# Altium PCB graviton.PcbDoc (part 5 of 15) (continued)
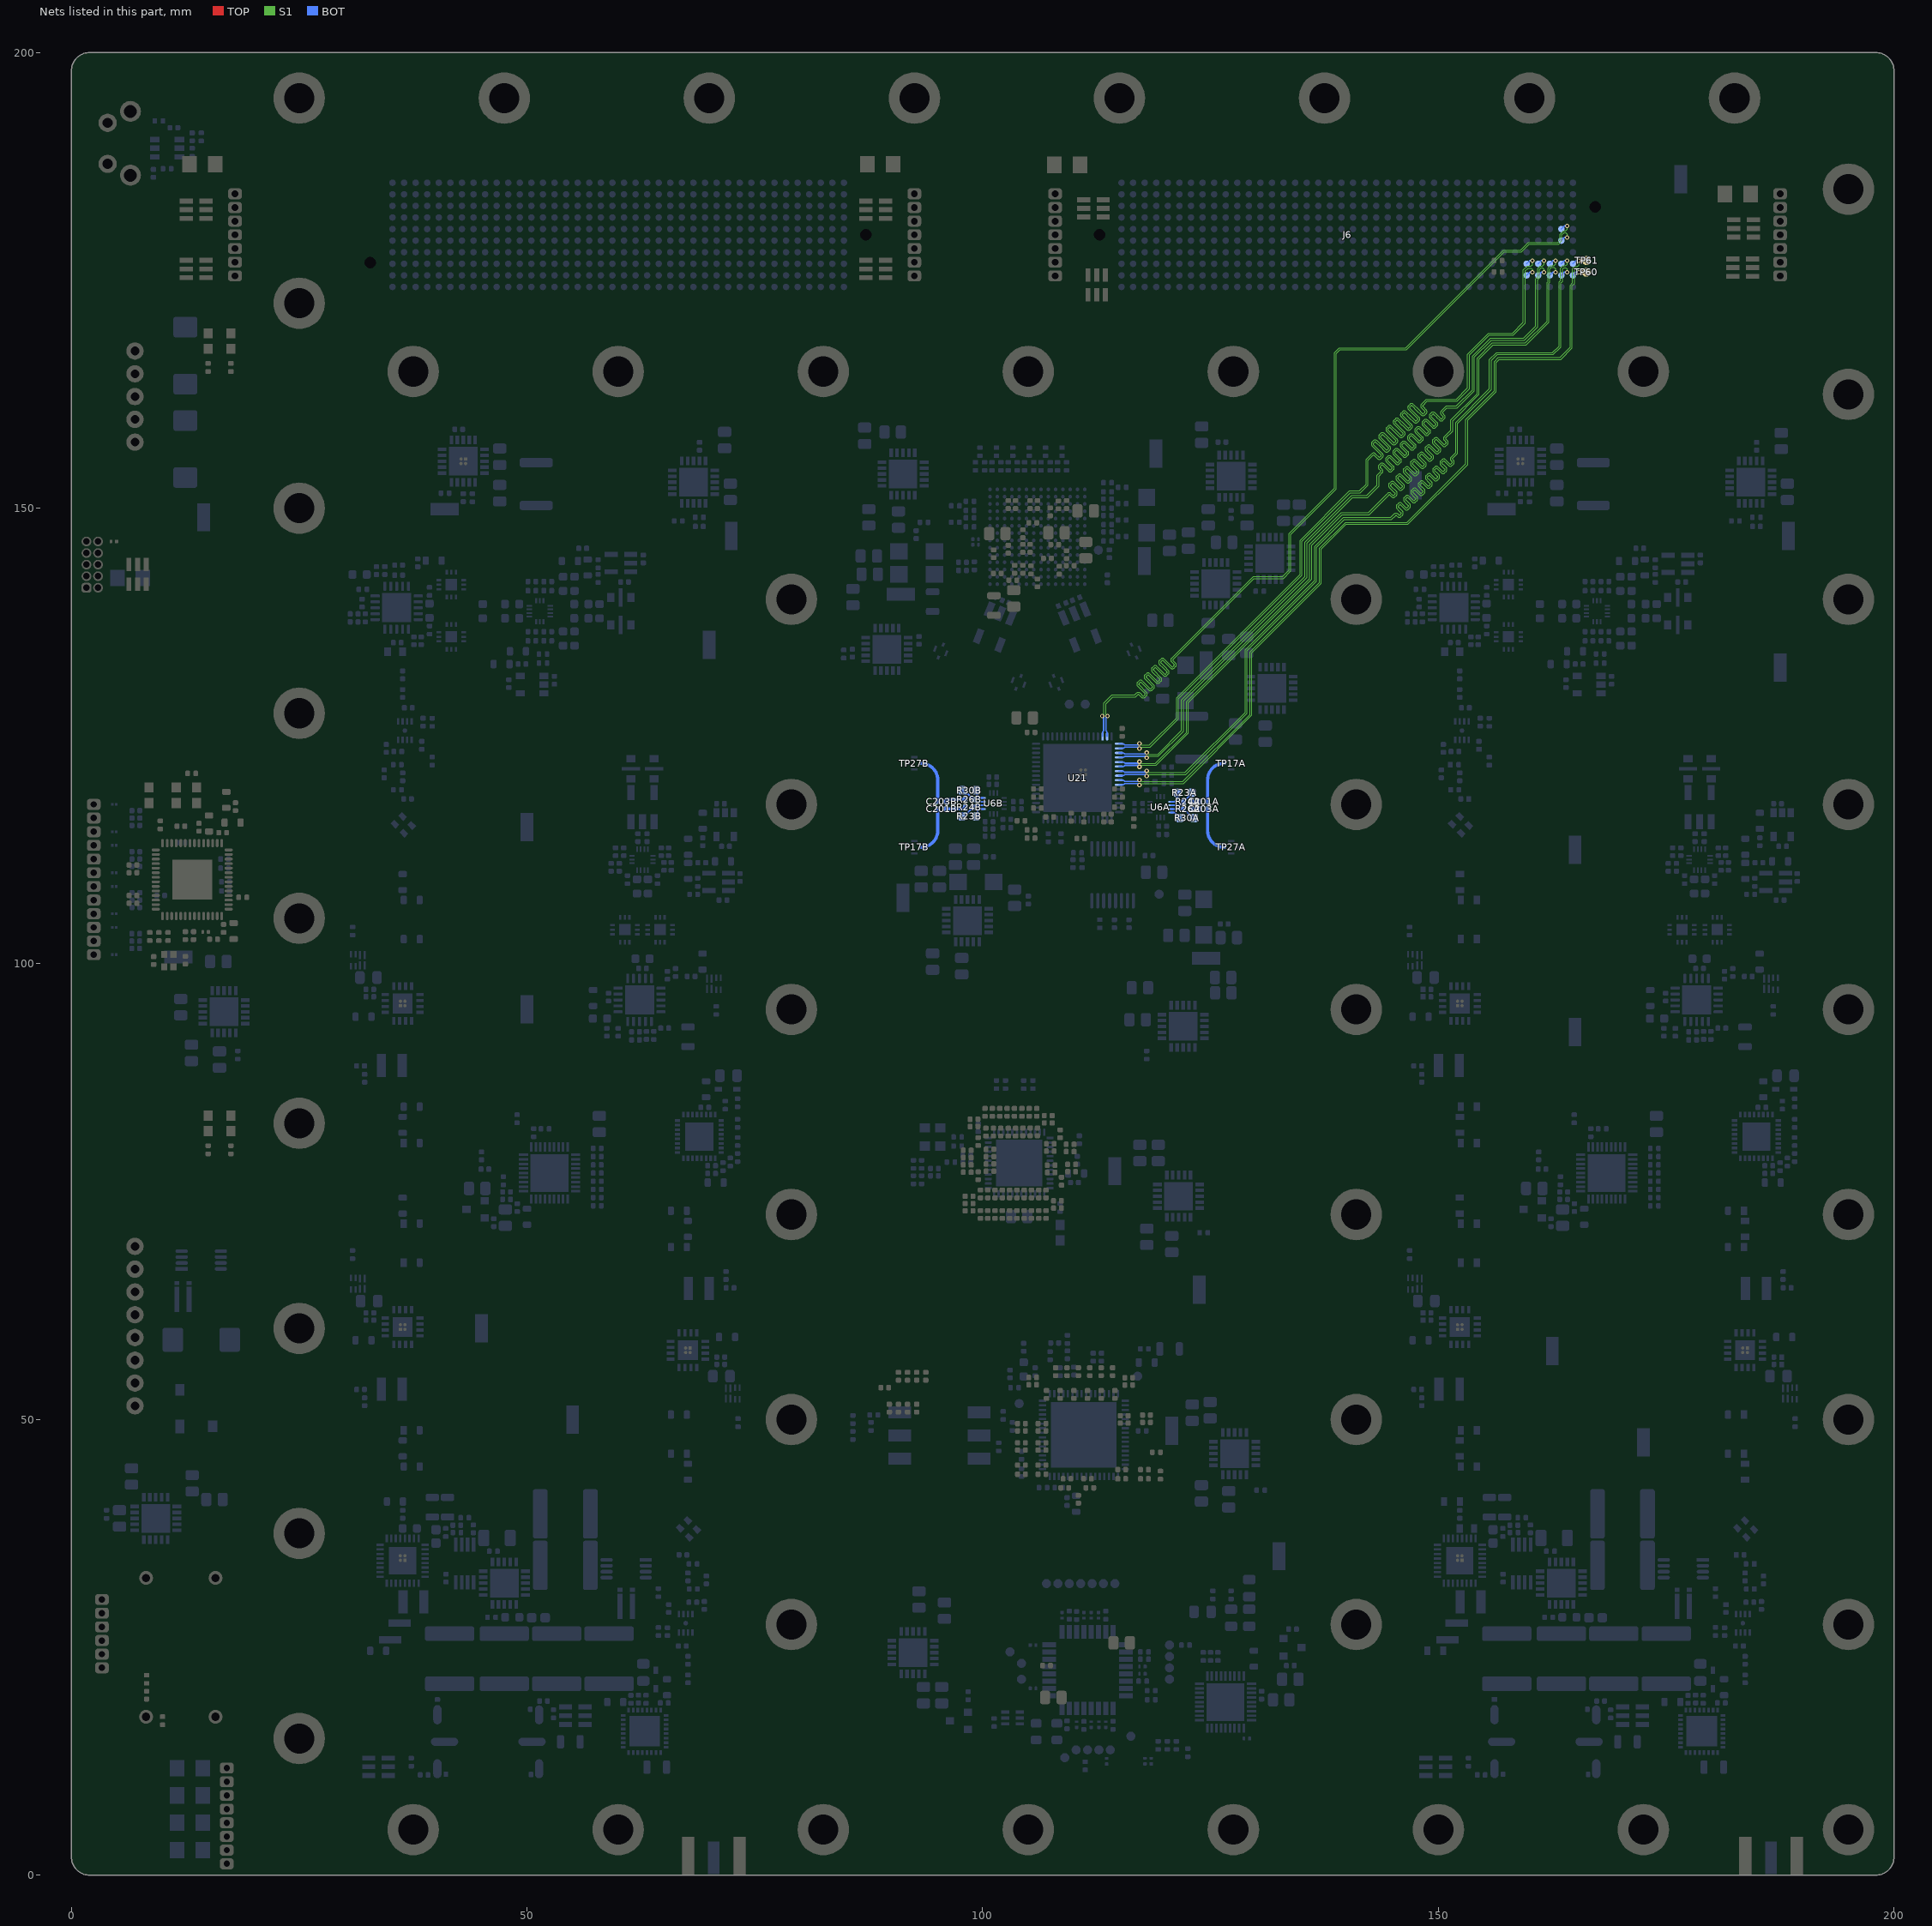
[diagram p13: the nets of this part, all layers, seen from the top]
## Nets (pads, with @x,y where several pads share a name; then routed paths per layer and width w, separated by ;. In a path a pad name is that pad's centre, name@x,y a point inside that pad or via, vN(x,y) a via of type N, cw(c..) or ccw(c..) an arc to the next point about the centre after c; other vN are vias at no path point)
A3A_N: R23A.1 R24A.2 U6A.5 | length 2.9
  BOT w0.2: U6A.5@120.65,117.4 121.655,117.4 R24A.2@122.055,117.8 122.93,118.675 R23A.1@122.93,118.725
A3A_P: R26A.2 R30A.1 U6A.6 | length 2.9
  BOT w0.2: U6A.6@120.65,117 R26A.2@122.055,117 123.005,116.05 R30A.1@123.18,116.05
A3B_N: R23B.1 R24B.2 U6B.5 | length 2.6
  BOT w0.2: R23B.1@97.825,116.575 98.345,116.575 R24B.2@98.97,117.2 99.17,117.4 U6B.5@100.05,117.4
A3B_P: R26B.2 R30B.1 U6B.6 | length 2.8
  BOT w0.2: R30B.1@97.72,119 98.095,118.625 98.395,118.625 R26B.2@98.97,118.05 99.22,117.8 U6B.6@100.05,117.8
A4A_N: R23A.2 U6A.4 | length 1.5
  BOT w0.2: U6A.4@120.65,117.8 121.05,117.8 121.37,118.12 R23A.2@121.37,118.725
A4A_P: R30A.2 U6A.7 | length 1.2
  BOT w0.2: U6A.7@120.65,116.6 121.07,116.6 R30A.2@121.62,116.05
A4B_N: R23B.2 U6B.4 | length 1.4
  BOT w0.2: R23B.2@99.28,116.2 99.425,116.345 99.425,116.85 99.575,117 U6B.4@100.05,117
A4B_P: R30B.2 U6B.7 | length 1.4
  BOT w0.2: R30B.2@99.28,119 99.368,118.912 99.368,118.407 99.575,118.2 U6B.7@100.05,118.2
A6A_N: C201A.2 R24A.1 | length 0.9
  BOT w0.356: R24A.1@122.945,117.8 C201A.2@123.82,117.8
A6A_P: C203A.2 R26A.1 | length 0.9
  BOT w0.356: R26A.1@122.945,117 C203A.2@123.82,117
A6B_N: C201B.2 R24B.1 | length 2.2
  BOT w0.356: C201B.2@95.93,117 97.88,117 R24B.1@98.08,117.2
A6B_P: C203B.2 R26B.1 | length 2.3
  BOT w0.356: C203B.2@95.93,117.8 96.18,118.05 R26B.1@98.08,118.05
A8A_N: C201A.1 TP17A.A | length 5.2
  BOT w0.356: C201A.1@124.68,117.8 124.68,120.18 cw(c126.5,120.18) TP17A.A@126.5,122
A8A_P: C203A.1 TP27A.A | length 5.2
  BOT w0.356: C203A.1@124.68,117 124.68,114.62 ccw(c126.5,114.62) TP27A.A@126.5,112.8
A8B_N: C201B.1 TP17B.A | length 5.2
  BOT w0.356: TP17B.A@93.25,112.8 ccw(c93.25,114.62) 95.07,114.62 C201B.1@95.07,117
A8B_P: C203B.1 TP27B.A | length 5.2
  BOT w0.356: TP27B.A@93.25,122 cw(c93.25,120.18) 95.07,120.18 C203B.1@95.07,117.8
ADC0-LVDS.ADC-D0_2_N: J6.8 TP61.1 U21.9 | length 92.1
  TOP w0.356: v3(165.4,177.168) 166.243,177.168 TP61.1@166.25,177.175
  S1 w0.098: v3(117.2,120.186) 117.379,120.006 121.958,120.006 129.331,127.38 129.331,134.227 136.956,141.852 136.956,145.598 139.809,148.45 146.575,148.45 153,154.875 153,159.749 156.131,162.88 156.131,166.081 156.594,166.544 163.344,166.544 164.475,167.675 164.475,174.475 164.725,174.725 164.725,176.301 164.962,176.538 165.25,176.538 165.4,176.688 v3(165.4,177.168)
  BOT w0.159: U21.9@114.95,120.15 115.301,120.15 cw(c115.301,119.719) 115.606,120.024 117.1,120.024 v3@117.156,120.08 ; v3@117.156,120.08 ccw(c117.05,120.186) v3(117.2,120.186) ; J6.8@164.765,176.825 165.108,177.168 v3(165.4,177.168)
ADC0-LVDS.ADC-D0_2_P: J6.9 TP60.1 U21.10 | length 91.9
  TOP w0.356: v3(165.4,175.898) 166.223,175.898 TP60.1@166.225,175.9
  S1 w0.098: v3(117.2,119.614) 117.379,119.794 122.046,119.794 129.544,127.292 129.544,134.139 137.168,141.764 137.168,145.51 139.897,148.238 146.664,148.238 153.213,154.787 153.213,159.661 156.344,162.792 156.344,165.993 156.682,166.331 163.432,166.331 164.688,167.587 164.688,174.387 164.938,174.637 164.938,176.213 165.05,176.325 165.25,176.325 165.4,176.175 v3(165.4,175.898)
  BOT w0.159: U21.10@114.95,119.65 115.301,119.65 ccw(c115.301,120.081) 115.606,119.776 117.1,119.776 v3@117.156,119.72 ; v3@117.156,119.72 cw(c117.05,119.614) v3(117.2,119.614) ; J6.9@164.765,175.555 165.108,175.898 v3(165.4,175.898)
ADC0-LVDS.ADC-D1_2_N: J6.18 U21.7 | length 101.5
  S1 w0.098: v3(118,121.186) 118.179,121.006 122.206,121.006 128.8,127.6 128.8,134.447 136.425,142.072 136.425,145.818 139.589,148.982 144.782,148.982 145.161,149.361 cw(c145.356,149.166) 145.551,149.361 145.671,149.242 ccw(c145.715,149.286) 145.76,149.241 145.92,149.401 ccw(c145.875,149.446) 145.938,149.446 ccw(c145.875,149.446) 145.92,149.491 145.68,149.73 145.441,149.969 cw(c145.636,150.164) 145.441,150.36 ; 145.441,150.36 145.601,150.519 cw(c145.796,150.324) 145.991,150.519 146.23,150.28 ; 146.231,150.28 146.47,150.041 ccw(c146.515,150.085) 146.559,150.041 146.719,150.201 ccw(c146.674,150.245) 146.738,150.245 ccw(c146.674,150.245) 146.719,150.29 ; 146.719,150.29 146.48,150.529 146.24,150.769 cw(c146.436,150.964) 146.24,151.159 146.4,151.319 cw(c146.595,151.124) 146.79,151.319 147.03,151.079 147.269,150.84 ccw(c147.314,150.885) 147.358,150.84 ; 147.359,150.84 147.518,151 ccw(c147.474,151.045) 147.537,151.045 ccw(c147.474,151.045) 147.518,151.089 147.279,151.328 147.04,151.568 cw(c147.235,151.763) 147.04,151.958 147.199,152.118 cw(c147.395,151.923) 147.59,152.118 147.829,151.879 148.069,151.639 ccw(c148.113,151.684) 148.158,151.639 148.318,151.799 ccw(c148.273,151.844) 148.336,151.844 ccw(c148.273,151.844) 148.318,151.888 148.078,152.128 147.839,152.367 cw(c148.034,152.562) 147.839,152.757 147.999,152.917 cw(c148.194,152.722) 148.389,152.917 148.628,152.678 148.868,152.438 ccw(c148.912,152.483) 148.957,152.438 ; 148.957,152.439 149.117,152.598 ccw(c149.072,152.643) 149.135,152.643 ccw(c149.072,152.643) 149.117,152.688 148.877,152.927 148.638,153.166 cw(c148.833,153.361) 148.638,153.557 148.798,153.716 cw(c148.993,153.521) 149.188,153.716 149.427,153.477 149.667,153.238 ccw(c149.711,153.282) 149.756,153.238 149.916,153.398 ccw(c149.871,153.442) 149.935,153.442 ccw(c149.871,153.442) 149.916,153.487 149.677,153.726 149.437,153.966 cw(c149.632,154.161) 149.437,154.356 149.597,154.516 cw(c149.792,154.321) 149.987,154.516 150.227,154.276 150.466,154.037 ccw(c150.511,154.082) 150.555,154.037 150.715,154.197 ccw(c150.671,154.242) 150.734,154.242 ccw(c150.671,154.242) 150.715,154.286 150.476,154.525 ; 150.476,154.526 150.237,154.765 cw(c150.432,154.96) 150.237,155.155 150.396,155.315 cw(c150.592,155.12) 150.787,155.315 151.026,155.076 ; 151.026,155.076 151.265,154.836 ccw(c151.31,154.881) 151.355,154.836 151.515,154.996 ccw(c151.47,155.041) 151.533,155.041 ccw(c151.47,155.041) 151.515,155.085 ; 151.515,155.085 151.395,155.205 cw(c151.59,155.4) 151.395,155.595 151.9,156.1 151.9,159.4 155.6,163.1 155.6,166.301 156.374,167.075 162.525,167.075 163.235,167.785 163.235,174.81 163.4,174.976 163.4,176.326 163.687,176.613 163.975,176.613 164.13,176.768 v3(164.13,177.168)
  BOT w0.159: U21.7@114.95,121.15 115.301,121.15 cw(c115.301,120.719) 115.606,121.024 117.9,121.024 v3@117.956,121.08 ; v3@117.956,121.08 ccw(c117.851,121.186) v3(118,121.186) ; J6.18@163.495,176.825 163.838,177.168 v3(164.13,177.168)
ADC0-LVDS.ADC-D1_2_P: J6.19 U21.8 | length 101.4
  S1 w0.098: v3(118,120.614) 118.179,120.794 122.294,120.794 129.013,127.512 129.013,134.359 136.637,141.984 136.637,145.73 139.677,148.769 144.87,148.769 145.311,149.211 cw(c145.356,149.166) 145.401,149.211 145.52,149.091 ccw(c145.715,149.286) 145.91,149.091 146.07,149.251 ccw(c145.875,149.446) 146.151,149.446 ccw(c145.875,149.446) 146.07,149.641 145.831,149.88 145.592,150.12 ; 145.591,150.12 cw(c145.636,150.164) 145.591,150.209 ; 145.592,150.209 145.751,150.369 cw(c145.796,150.324) 145.841,150.369 146.08,150.13 146.319,149.89 ccw(c146.515,150.085) 146.71,149.89 146.869,150.05 ccw(c146.674,150.245) 146.95,150.245 ccw(c146.674,150.245) 146.869,150.44 146.63,150.68 ; 146.63,150.68 146.391,150.919 cw(c146.436,150.964) 146.391,151.008 146.551,151.168 cw(c146.595,151.124) 146.64,151.168 146.879,150.929 ; 146.88,150.929 147.119,150.69 ccw(c147.314,150.885) 147.509,150.69 147.669,150.849 ccw(c147.474,151.045) 147.75,151.045 ccw(c147.474,151.045) 147.669,151.24 147.429,151.479 ; 147.19,151.718 147.429,151.479 ; 147.19,151.719 cw(c147.235,151.763) 147.19,151.808 147.35,151.968 cw(c147.395,151.923) 147.439,151.968 ; 147.439,151.967 147.678,151.728 147.918,151.489 ccw(c148.113,151.684) 148.308,151.489 148.468,151.649 ccw(c148.273,151.844) 148.549,151.844 ccw(c148.273,151.844) 148.468,152.039 148.229,152.278 147.989,152.518 cw(c148.034,152.562) 147.989,152.607 148.149,152.767 cw(c148.194,152.722) 148.239,152.767 148.478,152.528 ; 148.478,152.527 148.717,152.288 ccw(c148.912,152.483) 149.107,152.288 149.267,152.448 ccw(c149.072,152.643) 149.348,152.643 ccw(c149.072,152.643) 149.267,152.838 149.028,153.077 ; 149.028,153.078 148.789,153.317 cw(c148.833,153.361) 148.789,153.406 148.948,153.566 cw(c148.993,153.521) 149.038,153.566 149.277,153.327 ; 149.277,153.326 149.516,153.087 ccw(c149.711,153.282) 149.907,153.087 150.066,153.247 ccw(c149.871,153.442) 150.147,153.442 ccw(c149.871,153.442) 150.066,153.637 149.827,153.877 ; 149.827,153.877 149.588,154.116 cw(c149.632,154.161) 149.588,154.205 149.748,154.365 cw(c149.792,154.321) 149.837,154.365 150.076,154.126 150.316,153.887 ccw(c150.511,154.082) 150.706,153.887 ; 150.387,154.916 cw(c150.432,154.96) 150.387,155.005 150.547,155.164 cw(c150.592,155.12) 150.636,155.165 ; 150.387,154.915 150.626,154.676 150.866,154.437 cw(c150.671,154.242) 150.946,154.242 cw(c150.671,154.242) 150.866,154.046 150.706,153.887 ; 150.636,155.164 150.876,154.925 151.115,154.686 ccw(c151.31,154.881) 151.505,154.686 151.665,154.845 ccw(c151.47,155.041) 151.746,155.041 ccw(c151.47,155.041) 151.665,155.236 151.545,155.355 cw(c151.59,155.4) 151.545,155.445 152.113,156.012 152.113,159.312 155.813,163.012 155.813,166.213 156.462,166.862 162.613,166.862 163.447,167.696 163.447,174.722 163.613,174.888 163.613,176.238 163.775,176.4 163.975,176.4 164.13,176.245 v3(164.13,175.898)
  BOT w0.159: U21.8@114.95,120.65 115.301,120.65 ccw(c115.301,121.081) 115.606,120.776 117.9,120.776 v3@117.956,120.72 ; v3@117.956,120.72 cw(c117.851,120.614) v3(118,120.614) ; J6.19@163.495,175.555 163.838,175.898 v3(164.13,175.898)
ADC0-LVDS.ADC-D2_2_N: J6.28 U21.5 | length 99.1
  S1 w0.098: v3(117.2,122.186) 117.379,122.006 118.951,122.006 122.35,125.405 122.35,128.748 135.893,142.292 135.893,146.038 139.369,149.513 142.313,149.513 144.411,151.611 cw(c144.606,151.416) 144.801,151.611 145.01,151.402 ccw(c145.055,151.446) 145.1,151.402 145.26,151.562 ccw(c145.215,151.606) 145.278,151.606 ccw(c145.215,151.606) 145.26,151.651 144.601,152.309 cw(c144.796,152.504) 144.601,152.699 144.761,152.859 ; 144.761,152.859 cw(c144.956,152.664) 145.151,152.859 145.481,152.53 145.81,152.201 ccw(c145.854,152.246) 145.899,152.201 ; 145.899,152.201 146.059,152.361 ccw(c146.014,152.406) 146.077,152.406 ccw(c146.014,152.406) 146.059,152.45 145.401,153.108 cw(c145.596,153.304) 145.401,153.499 145.56,153.658 cw(c145.756,153.463) 145.951,153.658 146.609,153 ccw(c146.654,153.045) 146.698,153 146.858,153.16 ccw(c146.813,153.205) 146.877,153.205 ccw(c146.813,153.205) 146.858,153.249 146.529,153.578 ; 146.529,153.579 146.2,153.908 cw(c146.395,154.103) 146.2,154.298 146.36,154.458 cw(c146.555,154.263) 146.75,154.458 147.079,154.129 147.408,153.799 ccw(c147.453,153.844) 147.497,153.799 147.657,153.959 ccw(c147.613,154.004) 147.676,154.004 ccw(c147.613,154.004) 147.657,154.049 146.999,154.707 ; 146.999,154.707 cw(c147.194,154.902) 146.999,155.097 147.159,155.257 cw(c147.354,155.062) 147.549,155.257 148.207,154.599 ccw(c148.252,154.643) 148.297,154.599 148.457,154.759 ccw(c148.412,154.803) 148.475,154.803 ccw(c148.412,154.803) 148.457,154.848 148.127,155.177 147.798,155.506 cw(c147.993,155.701) 147.798,155.896 147.958,156.056 cw(c148.153,155.861) 148.348,156.056 148.678,155.727 149.007,155.398 ccw(c149.051,155.443) 149.096,155.398 ; 149.096,155.398 149.256,155.558 ccw(c149.211,155.602) 149.274,155.602 ccw(c149.211,155.602) 149.256,155.647 148.598,156.305 cw(c148.793,156.501) 148.598,156.696 148.757,156.855 cw(c148.953,156.66) 149.148,156.855 149.806,156.197 ccw(c149.851,156.242) 149.895,156.197 150.055,156.357 ccw(c150.01,156.402) 150.074,156.402 ccw(c150.01,156.402) 150.055,156.446 149.726,156.775 149.397,157.105 cw(c149.592,157.3) 149.397,157.495 149.557,157.655 cw(c149.752,157.46) 149.947,157.655 150.276,157.326 150.605,156.996 ccw(c150.65,157.041) 150.694,156.996 ; 150.695,156.997 150.854,157.156 ccw(c150.81,157.201) 150.873,157.201 ccw(c150.81,157.201) 150.854,157.246 150.645,157.455 cw(c150.84,157.65) 150.645,157.845 151.369,158.569 151.369,159.682 154.262,162.575 154.262,166.461 155.936,168.134 159.559,168.134 161.925,170.5 161.925,174.763 162.012,174.85 162.012,176.35 162.175,176.513 162.3,176.638 162.7,176.638 162.86,176.798 v3(162.86,177.168)
  BOT w0.159: U21.5@114.95,122.15 115.301,122.15 cw(c115.301,121.719) 115.606,122.024 117.1,122.024 v3@117.156,122.08 ; v3@117.156,122.08 ccw(c117.05,122.186) v3(117.2,122.186) ; J6.28@162.225,176.825 162.568,177.168 v3(162.86,177.168)
ADC0-LVDS.ADC-D2_2_P: J6.29 U21.6 | length 99.1
  S1 w0.098: v3(117.2,121.614) 117.379,121.794 119.039,121.794 122.562,125.317 122.562,128.66 136.106,142.204 136.106,145.95 139.457,149.3 142.401,149.3 144.561,151.461 cw(c144.606,151.416) 144.651,151.461 144.86,151.251 ccw(c145.055,151.446) 145.25,151.251 145.41,151.411 ; 145.33,152.38 145.001,152.709 ccw(c144.956,152.664) 144.912,152.709 144.752,152.549 ccw(c144.796,152.504) 144.752,152.46 145.41,151.801 cw(c145.215,151.606) 145.491,151.606 cw(c145.215,151.606) 145.41,151.411 ; 145.33,152.38 145.659,152.051 ccw(c145.854,152.246) 146.049,152.051 146.209,152.21 ccw(c146.014,152.406) 146.29,152.406 ccw(c146.014,152.406) 146.209,152.601 145.88,152.93 145.551,153.259 ; 145.551,153.259 cw(c145.596,153.304) 145.551,153.348 ; 145.551,153.348 145.711,153.508 cw(c145.756,153.463) 145.8,153.508 146.458,152.85 ccw(c146.654,153.045) 146.849,152.85 147.008,153.009 ccw(c146.813,153.205) 147.089,153.205 ccw(c146.813,153.205) 147.009,153.4 146.35,154.058 cw(c146.395,154.103) 146.35,154.147 146.51,154.308 cw(c146.555,154.263) 146.599,154.307 146.928,153.978 147.258,153.649 ccw(c147.453,153.844) 147.648,153.649 147.808,153.809 ccw(c147.613,154.004) 147.889,154.004 ccw(c147.613,154.004) 147.808,154.199 147.149,154.858 cw(c147.194,154.902) 147.149,154.946 147.309,155.107 cw(c147.354,155.062) 147.399,155.107 148.057,154.448 ccw(c148.252,154.643) 148.447,154.448 148.607,154.608 ccw(c148.412,154.803) 148.688,154.803 ccw(c148.412,154.803) 148.607,154.998 148.278,155.327 147.949,155.657 cw(c147.993,155.701) 147.949,155.746 148.108,155.906 ; 148.109,155.906 cw(c148.153,155.861) 148.198,155.906 148.527,155.577 148.856,155.248 ccw(c149.051,155.443) 149.246,155.248 149.406,155.407 ccw(c149.211,155.602) 149.487,155.602 ccw(c149.211,155.602) 149.406,155.798 149.077,156.127 ; 149.077,156.127 148.748,156.456 cw(c148.793,156.501) 148.748,156.545 148.908,156.705 cw(c148.953,156.66) 148.997,156.705 149.655,156.047 ccw(c149.851,156.242) 150.046,156.047 150.205,156.206 ccw(c150.01,156.402) 150.286,156.402 ccw(c150.01,156.402) 150.205,156.597 149.876,156.926 149.547,157.255 cw(c149.592,157.3) 149.547,157.344 149.707,157.504 cw(c149.752,157.46) 149.796,157.504 150.126,157.175 150.455,156.846 ccw(c150.65,157.041) 150.845,156.846 151.005,157.006 ccw(c150.81,157.201) 151.086,157.201 ccw(c150.81,157.201) 151.005,157.396 150.795,157.606 cw(c150.84,157.65) 150.795,157.695 151.582,158.481 151.582,159.593 154.475,162.487 154.475,166.373 156.024,167.921 159.647,167.921 162.138,170.412 162.138,174.675 162.225,174.762 162.225,176.262 162.388,176.425 162.7,176.425 162.86,176.265 v3(162.86,175.898)
  BOT w0.159: U21.6@114.95,121.65 115.301,121.65 ccw(c115.301,122.081) 115.606,121.776 117.1,121.776 v3@117.156,121.72 ; v3@117.156,121.72 cw(c117.05,121.614) v3(117.2,121.614) ; J6.29@162.225,175.555 162.568,175.898 v3(162.86,175.898)
ADC0-LVDS.ADC-D3_2_N: J6.38 U21.3 | length 98.7
  S1 w0.098: v3(118,123.186) 118.179,123.006 119.2,123.006 121.818,125.625 121.818,128.968 135.362,142.512 135.362,146.258 140.486,151.382 142.133,151.382 143.263,152.512 143.263,153.613 143.674,154.024 ccw(c143.629,154.069) 143.692,154.069 ccw(c143.629,154.069) 143.674,154.113 143.465,154.322 cw(c143.66,154.518) 143.465,154.713 143.624,154.872 cw(c143.82,154.677) 144.015,154.872 144.344,154.544 144.673,154.214 ccw(c144.718,154.259) 144.762,154.214 144.922,154.374 ccw(c144.877,154.419) 144.941,154.419 ccw(c144.877,154.419) 144.922,154.463 ; 144.922,154.463 144.264,155.122 cw(c144.459,155.317) 144.264,155.512 144.424,155.672 cw(c144.619,155.477) 144.814,155.672 145.143,155.343 145.472,155.013 ccw(c145.517,155.058) 145.561,155.013 145.721,155.173 ccw(c145.677,155.218) 145.74,155.218 ccw(c145.677,155.218) 145.721,155.263 145.063,155.921 ; 145.063,155.921 cw(c145.258,156.116) 145.063,156.311 ; 145.063,156.311 145.223,156.471 cw(c145.418,156.276) 145.613,156.471 145.942,156.142 ; 145.942,156.142 146.271,155.813 ccw(c146.316,155.857) 146.361,155.813 146.521,155.973 ccw(c146.476,156.017) 146.539,156.017 ccw(c146.476,156.017) 146.521,156.062 145.862,156.72 cw(c146.057,156.915) 145.862,157.11 146.022,157.27 ; 146.022,157.27 cw(c146.217,157.075) 146.412,157.27 146.742,156.941 147.071,156.612 ccw(c147.115,156.657) 147.16,156.612 ; 147.16,156.612 147.32,156.772 ccw(c147.275,156.816) 147.338,156.816 ccw(c147.275,156.816) 147.32,156.861 146.662,157.519 cw(c146.857,157.715) 146.662,157.91 146.821,158.069 cw(c147.017,157.874) 147.212,158.069 147.87,157.411 ccw(c147.915,157.456) 147.959,157.411 148.119,157.571 ccw(c148.074,157.616) 148.138,157.616 ccw(c148.074,157.616) 148.119,157.66 147.79,157.99 147.461,158.319 cw(c147.656,158.514) 147.461,158.709 147.621,158.869 cw(c147.816,158.674) 148.011,158.869 148.34,158.54 148.669,158.21 ccw(c148.714,158.255) 148.758,158.21 148.918,158.37 ccw(c148.874,158.415) 148.937,158.415 ccw(c148.874,158.415) 148.918,158.46 148.589,158.789 ; 148.589,158.789 148.26,159.118 cw(c148.455,159.313) 148.26,159.508 148.42,159.668 cw(c148.615,159.473) 148.81,159.668 149.468,159.01 ccw(c149.513,159.054) 149.558,159.01 149.718,159.17 ccw(c149.673,159.214) 149.736,159.214 ccw(c149.673,159.214) 149.718,159.259 149.389,159.588 149.059,159.917 cw(c149.254,160.112) 149.059,160.307 149.219,160.467 cw(c149.414,160.272) 149.609,160.467 149.938,160.138 150.268,159.809 ccw(c150.312,159.854) 150.357,159.809 150.517,159.969 ccw(c150.472,160.013) 150.535,160.013 ccw(c150.472,160.013) 150.517,160.058 150.308,160.267 cw(c150.503,160.462) 150.308,160.658 150.863,161.213 151.964,161.213 153.731,162.98 153.731,166.681 155.716,168.665 159.339,168.665 160.675,170.001 160.675,175.151 160.9,175.376 160.9,176.301 161.187,176.588 161.425,176.588 161.59,176.753 v3(161.59,177.168)
  BOT w0.159: U21.3@114.95,123.15 115.301,123.15 cw(c115.301,122.719) 115.606,123.024 117.9,123.024 v3@117.956,123.08 ; v3@117.956,123.08 ccw(c117.851,123.186) v3(118,123.186) ; J6.38@160.955,176.825 161.298,177.168 v3(161.59,177.168)
ADC0-LVDS.ADC-D3_2_P: J6.39 U21.4 | length 98.6
  S1 w0.098: v3(118,122.614) 118.179,122.794 119.288,122.794 122.031,125.537 122.031,128.88 135.575,142.424 135.575,146.17 140.574,151.169 142.221,151.169 143.476,152.424 143.476,153.525 143.824,153.873 ccw(c143.629,154.069) 143.905,154.069 ccw(c143.629,154.069) 143.824,154.264 ; 143.615,154.562 ccw(c143.66,154.518) 143.615,154.473 143.824,154.264 ; 143.615,154.562 143.775,154.722 cw(c143.82,154.677) 143.864,154.722 144.522,154.064 ccw(c144.718,154.259) 144.913,154.064 145.072,154.223 ccw(c144.877,154.419) 145.153,154.419 ccw(c144.877,154.419) 145.073,154.614 144.414,155.272 cw(c144.459,155.317) 144.414,155.361 144.574,155.522 cw(c144.619,155.477) 144.663,155.521 144.993,155.192 ; 144.993,155.192 145.322,154.863 ccw(c145.517,155.058) 145.712,154.863 ; 145.712,154.863 145.872,155.023 ccw(c145.677,155.218) 145.953,155.218 ccw(c145.677,155.218) 145.872,155.413 145.214,156.071 cw(c145.258,156.116) 145.213,156.16 145.373,156.321 cw(c145.418,156.276) 145.463,156.321 146.121,155.662 ccw(c146.316,155.857) 146.511,155.662 146.671,155.822 ; 146.671,155.822 ccw(c146.476,156.017) 146.752,156.017 ccw(c146.476,156.017) 146.671,156.212 146.342,156.541 146.013,156.871 cw(c146.057,156.915) 146.013,156.96 146.173,157.12 cw(c146.217,157.075) 146.262,157.12 146.591,156.791 146.92,156.462 ccw(c147.115,156.657) 147.31,156.462 147.47,156.621 ccw(c147.275,156.816) 147.551,156.816 ccw(c147.275,156.816) 147.47,157.012 146.812,157.67 cw(c146.857,157.715) 146.812,157.759 ; 146.812,157.759 146.972,157.919 cw(c147.017,157.874) 147.061,157.919 147.719,157.261 ccw(c147.915,157.456) 148.11,157.261 148.269,157.42 ccw(c148.074,157.616) 148.35,157.616 ccw(c148.074,157.616) 148.27,157.811 147.94,158.14 147.611,158.469 cw(c147.656,158.514) 147.611,158.558 147.771,158.718 ; 147.771,158.719 cw(c147.816,158.674) 147.86,158.718 148.189,158.389 148.519,158.06 ccw(c148.714,158.255) 148.909,158.06 149.069,158.22 ccw(c148.874,158.415) 149.15,158.415 ccw(c148.874,158.415) 149.069,158.61 148.74,158.939 148.41,159.269 cw(c148.455,159.313) 148.41,159.357 148.57,159.517 ; 148.571,159.518 cw(c148.615,159.473) 148.659,159.518 149.318,158.859 ccw(c149.513,159.054) 149.708,158.859 149.868,159.019 ccw(c149.673,159.214) 149.949,159.214 ccw(c149.673,159.214) 149.868,159.409 149.539,159.738 ; 149.369,160.317 149.209,160.157 ccw(c149.254,160.112) 149.21,160.068 149.539,159.739 ; 149.37,160.317 cw(c149.414,160.272) 149.459,160.317 149.788,159.988 ; 149.788,159.987 150.117,159.659 ccw(c150.312,159.854) 150.507,159.659 ; 150.458,160.418 150.667,160.209 ; 150.458,160.418 cw(c150.503,160.462) 150.458,160.507 150.951,161 152.063,161 152.389,161.325 152.389,161.337 153.944,162.892 153.944,166.593 155.804,168.452 159.427,168.452 160.888,169.913 160.888,175.063 161.113,175.288 161.113,176.213 161.275,176.375 161.425,176.375 161.59,176.21 v3(161.59,175.898) ; 150.508,159.659 150.667,159.818 ccw(c150.472,160.013) 150.748,160.013 ccw(c150.472,160.013) 150.667,160.209
  BOT w0.159: U21.4@114.95,122.65 115.301,122.65 ccw(c115.301,123.081) 115.606,122.776 117.9,122.776 v3@117.956,122.72 ; v3@117.956,122.72 cw(c117.851,122.614) v3(118,122.614) ; J6.39@160.955,175.555 161.298,175.898 v3(161.59,175.898)
ADC0-LVDS.ADC-D4_2_N: J6.48 U21.1 | length 100.3
  S1 w0.098: v3(117.2,124.186) 117.379,124.006 118.3,124.006 121.287,126.994 121.287,129.188 134.831,142.732 134.831,146.478 140.266,151.913 141.35,151.913 142.075,152.638 142.075,155.351 142.697,155.973 cw(c142.892,155.778) 143.087,155.973 143.477,155.584 ccw(c143.521,155.629) 143.566,155.584 143.726,155.744 ccw(c143.681,155.789) 143.744,155.789 ccw(c143.681,155.789) 143.726,155.833 ; 143.217,156.342 142.708,156.851 cw(c142.903,157.046) 142.708,157.241 142.868,157.401 cw(c143.063,157.206) 143.258,157.401 143.767,156.892 144.276,156.383 ccw(c144.32,156.428) 144.365,156.383 ; 143.217,156.342 143.726,155.833 ; 144.365,156.384 144.525,156.543 ccw(c144.48,156.588) 144.543,156.588 ccw(c144.48,156.588) 144.525,156.633 144.016,157.141 143.507,157.65 cw(c143.702,157.845) 143.507,158.04 143.667,158.2 cw(c143.862,158.005) 144.057,158.2 144.566,157.692 145.075,157.183 ccw(c145.12,157.227) 145.164,157.183 145.324,157.343 ccw(c145.279,157.387) 145.343,157.387 ccw(c145.279,157.387) 145.324,157.432 144.815,157.941 144.307,158.449 cw(c144.502,158.645) 144.307,158.84 144.466,158.999 cw(c144.662,158.804) 144.857,158.999 145.365,158.491 145.874,157.982 ccw(c145.919,158.027) 145.963,157.982 146.123,158.142 ccw(c146.079,158.187) 146.142,158.187 ccw(c146.079,158.187) 146.123,158.231 145.615,158.74 ; 145.614,158.74 145.106,159.249 cw(c145.301,159.444) 145.106,159.639 145.266,159.799 cw(c145.461,159.604) 145.656,159.799 146.164,159.29 146.674,158.781 ccw(c146.718,158.826) 146.763,158.781 146.923,158.941 ccw(c146.878,158.986) 146.941,158.986 ccw(c146.878,158.986) 146.923,159.03 ; 146.414,159.539 146.923,159.03 ; 146.414,159.539 145.905,160.048 cw(c146.1,160.243) 145.905,160.438 146.065,160.598 cw(c146.26,160.403) 146.455,160.598 146.964,160.089 ; 146.964,160.089 147.473,159.58 ccw(c147.517,159.625) 147.562,159.58 147.722,159.74 ccw(c147.677,159.785) 147.74,159.785 ccw(c147.677,159.785) 147.722,159.83 147.213,160.338 146.704,160.847 cw(c146.899,161.042) 146.704,161.237 146.864,161.397 cw(c147.059,161.202) 147.254,161.397 147.763,160.888 148.272,160.38 ccw(c148.316,160.424) 148.361,160.38 148.521,160.54 ccw(c148.476,160.584) 148.54,160.584 ccw(c148.476,160.584) 148.521,160.629 ; 148.521,160.629 148.132,161.018 cw(c148.327,161.213) 148.132,161.408 148.674,161.95 151.95,161.95 153.2,163.2 153.2,166.901 155.496,169.196 158.121,169.196 159.325,170.4 159.325,176.126 159.762,176.563 160.175,176.563 160.32,176.708 v3(160.32,177.168)
  BOT w0.159: U21.1@114.95,124.15 115.301,124.15 cw(c115.301,123.719) 115.606,124.024 117.1,124.024 v3@117.156,124.08 ; v3@117.156,124.08 ccw(c117.05,124.186) v3(117.2,124.186) ; J6.48@159.685,176.825 160.028,177.168 v3(160.32,177.168)
ADC0-LVDS.ADC-D4_2_P: J6.49 U21.2 | length 100.1
  S1 w0.098: v3(117.2,123.614) 117.379,123.794 118.388,123.794 121.5,126.906 121.5,129.1 135.044,142.644 135.044,146.39 140.354,151.7 141.438,151.7 142.288,152.55 142.288,155.263 142.848,155.823 cw(c142.892,155.778) 142.937,155.823 143.326,155.434 ccw(c143.521,155.629) 143.716,155.434 143.876,155.594 ; 143.658,157.8 144.166,157.292 ; 143.657,157.801 cw(c143.702,157.845) 143.658,157.89 143.818,158.05 cw(c143.862,158.005) 143.907,158.05 144.416,157.541 144.924,157.032 ccw(c145.12,157.227) 145.315,157.032 145.474,157.192 ccw(c145.279,157.387) 145.555,157.387 ccw(c145.279,157.387) 145.474,157.582 144.966,158.091 144.457,158.6 cw(c144.502,158.645) 144.457,158.689 144.617,158.849 cw(c144.662,158.804) 144.706,158.849 145.215,158.341 ; 143.876,155.594 ccw(c143.681,155.789) 143.957,155.789 ccw(c143.681,155.789) 143.876,155.984 143.367,156.493 142.859,157.001 cw(c142.903,157.046) 142.859,157.091 143.018,157.251 cw(c143.063,157.206) 143.108,157.251 143.616,156.742 144.125,156.233 ccw(c144.32,156.428) 144.515,156.233 144.675,156.393 ccw(c144.48,156.588) 144.756,156.588 ccw(c144.48,156.588) 144.675,156.783 144.167,157.292 ; 145.215,158.34 145.724,157.832 ccw(c145.919,158.027) 146.114,157.832 146.274,157.991 ccw(c146.079,158.187) 146.355,158.187 ccw(c146.079,158.187) 146.274,158.382 145.765,158.89 145.256,159.399 ; 145.256,159.399 cw(c145.301,159.444) 145.256,159.488 145.416,159.648 cw(c145.461,159.604) 145.505,159.649 ; 145.506,159.648 146.014,159.14 146.523,158.631 ccw(c146.718,158.826) 146.913,158.631 147.073,158.791 ccw(c146.878,158.986) 147.154,158.986 ccw(c146.878,158.986) 147.073,159.181 146.564,159.69 146.055,160.198 cw(c146.1,160.243) 146.055,160.288 146.215,160.448 cw(c146.26,160.403) 146.305,160.448 146.813,159.939 147.322,159.43 ccw(c147.517,159.625) 147.712,159.43 ; 147.713,159.43 147.872,159.59 ccw(c147.677,159.785) 147.953,159.785 ccw(c147.677,159.785) 147.872,159.98 147.363,160.489 146.855,160.997 cw(c146.899,161.042) 146.855,161.087 147.015,161.247 cw(c147.059,161.202) 147.104,161.247 147.613,160.738 148.121,160.229 ccw(c148.316,160.424) 148.512,160.229 148.671,160.389 ; 148.671,160.389 ccw(c148.476,160.584) 148.752,160.584 ccw(c148.476,160.584) 148.671,160.779 148.283,161.168 cw(c148.327,161.213) 148.283,161.258 148.762,161.737 152.038,161.737 153.413,163.112 153.413,166.813 155.584,168.984 158.209,168.984 159.538,170.312 159.538,176.038 159.85,176.35 160.175,176.35 160.32,176.205 v3(160.32,175.898)
  BOT w0.159: U21.2@114.95,123.65 115.301,123.65 ccw(c115.301,124.081) 115.606,123.776 117.1,123.776 v3@117.156,123.72 ; v3@117.156,123.72 cw(c117.05,123.614) v3(117.2,123.614) ; J6.49@159.685,175.555 160.028,175.898 v3(160.32,175.898)
ADC0-LVDS.ADC-D5_2_N: J6.15 U21.62 | length 101.1
  S1 w0.098: v3(113.114,127.2) 113.294,127.379 113.294,128.613 114.181,129.5 116.682,129.5 116.883,129.701 cw(c117.078,129.506) 117.273,129.701 117.573,129.402 ccw(c117.617,129.447) 117.662,129.402 117.822,129.562 ; 117.822,129.562 ccw(c117.777,129.606) 117.84,129.606 ccw(c117.777,129.606) 117.822,129.651 116.984,130.489 cw(c117.179,130.684) 116.984,130.879 117.144,131.039 cw(c117.339,130.844) 117.534,131.039 118.372,130.201 ccw(c118.416,130.246) 118.461,130.201 ; 118.461,130.201 118.621,130.361 ccw(c118.576,130.406) 118.639,130.406 ccw(c118.576,130.406) 118.621,130.45 117.783,131.288 cw(c117.978,131.483) 117.783,131.678 117.943,131.838 cw(c118.138,131.643) 118.333,131.838 118.752,131.419 119.171,131 ccw(c119.216,131.045) 119.26,131 119.42,131.16 ccw(c119.376,131.205) 119.439,131.205 ccw(c119.376,131.205) 119.42,131.25 118.583,132.087 ; 118.582,132.087 cw(c118.777,132.283) 118.582,132.478 118.742,132.638 cw(c118.937,132.442) 119.132,132.638 119.97,131.8 ccw(c120.015,131.844) 120.059,131.799 ; 120.06,131.8 120.219,131.96 ccw(c120.175,132.004) 120.238,132.004 ccw(c120.175,132.004) 120.219,132.049 119.801,132.468 119.382,132.887 cw(c119.577,133.082) 119.382,133.277 119.541,133.437 cw(c119.737,133.242) 119.932,133.437 120.35,133.018 ; 120.351,133.018 120.769,132.599 ccw(c120.814,132.644) 120.859,132.599 121.019,132.759 ccw(c120.974,132.803) 121.037,132.803 ccw(c120.974,132.803) 121.019,132.848 120.72,133.147 cw(c120.915,133.342) 120.72,133.537 129.689,142.507 132.908,142.507 133.606,143.205 133.606,147.229 138.581,152.204 138.581,167.077 139.105,167.601 146.425,167.601 157.142,178.318 159.015,178.318 159.872,179.175 163.1,179.175 163.35,179.425 163.35,180.076 163.712,180.438 163.95,180.438 164.13,180.618 v3(164.13,180.978)
  BOT w0.159: v3(113.114,127.2) cw(c113.114,127.05) 113.22,127.156 113.276,127.1 113.276,125.606 ccw(c113.581,125.301) 113.15,125.301 U21.62@113.15,124.95 ; J6.15@163.495,180.635 163.838,180.978 v3(164.13,180.978)
ADC0-LVDS.ADC-D5_2_P: J6.16 U21.63 | length 100.7
  S1 w0.098: v3(113.686,127.2) 113.506,127.379 113.506,128.525 114.269,129.287 116.77,129.287 117.034,129.551 cw(c117.078,129.506) 117.123,129.551 117.422,129.252 ccw(c117.617,129.447) 117.812,129.252 117.972,129.411 ccw(c117.777,129.606) 118.053,129.606 ccw(c117.777,129.606) 117.972,129.802 117.134,130.639 cw(c117.179,130.684) 117.134,130.729 117.294,130.889 cw(c117.339,130.844) 117.383,130.889 ; 117.384,130.888 117.802,130.47 118.221,130.051 ccw(c118.416,130.246) 118.612,130.051 118.771,130.211 ccw(c118.576,130.406) 118.852,130.406 ccw(c118.576,130.406) 118.771,130.601 117.934,131.439 cw(c117.978,131.483) 117.934,131.528 118.093,131.688 cw(c118.138,131.643) 118.183,131.688 118.601,131.269 ; 118.602,131.269 119.021,130.85 ccw(c119.216,131.045) 119.411,130.85 119.571,131.01 ccw(c119.376,131.205) 119.651,131.205 ccw(c119.376,131.205) 119.571,131.4 118.733,132.238 cw(c118.777,132.283) 118.733,132.327 118.893,132.487 cw(c118.937,132.442) 118.982,132.487 119.82,131.649 ccw(c120.015,131.844) 120.21,131.649 120.37,131.809 ccw(c120.175,132.004) 120.451,132.004 ccw(c120.175,132.004) 120.37,132.199 119.951,132.618 119.532,133.037 cw(c119.577,133.082) 119.532,133.126 119.692,133.286 cw(c119.737,133.242) 119.781,133.286 120.2,132.867 120.619,132.448 ccw(c120.814,132.644) 121.009,132.448 121.169,132.608 ccw(c120.974,132.803) 121.25,132.803 ccw(c120.974,132.803) 121.169,132.999 120.87,133.298 ; 120.87,133.298 cw(c120.915,133.342) 120.87,133.387 129.777,142.294 132.996,142.294 133.819,143.117 133.819,147.141 138.794,152.116 138.794,166.989 139.193,167.389 146.513,167.389 157.23,178.105 159.103,178.105 159.96,178.962 163.188,178.962 163.563,179.337 163.563,179.988 163.8,180.225 163.95,180.225 164.13,180.045 v3(164.13,179.708)
  BOT w0.159: U21.63@113.65,124.95 113.65,125.301 ccw(c113.219,125.301) 113.524,125.606 113.524,127.1 113.58,127.156 cw(c113.686,127.05) v3(113.686,127.2) ; J6.16@163.495,179.365 163.838,179.708 v3(164.13,179.708)